# Altium PCB KlusterLab r2.0.PcbDoc (part 8 of 22) (continued)
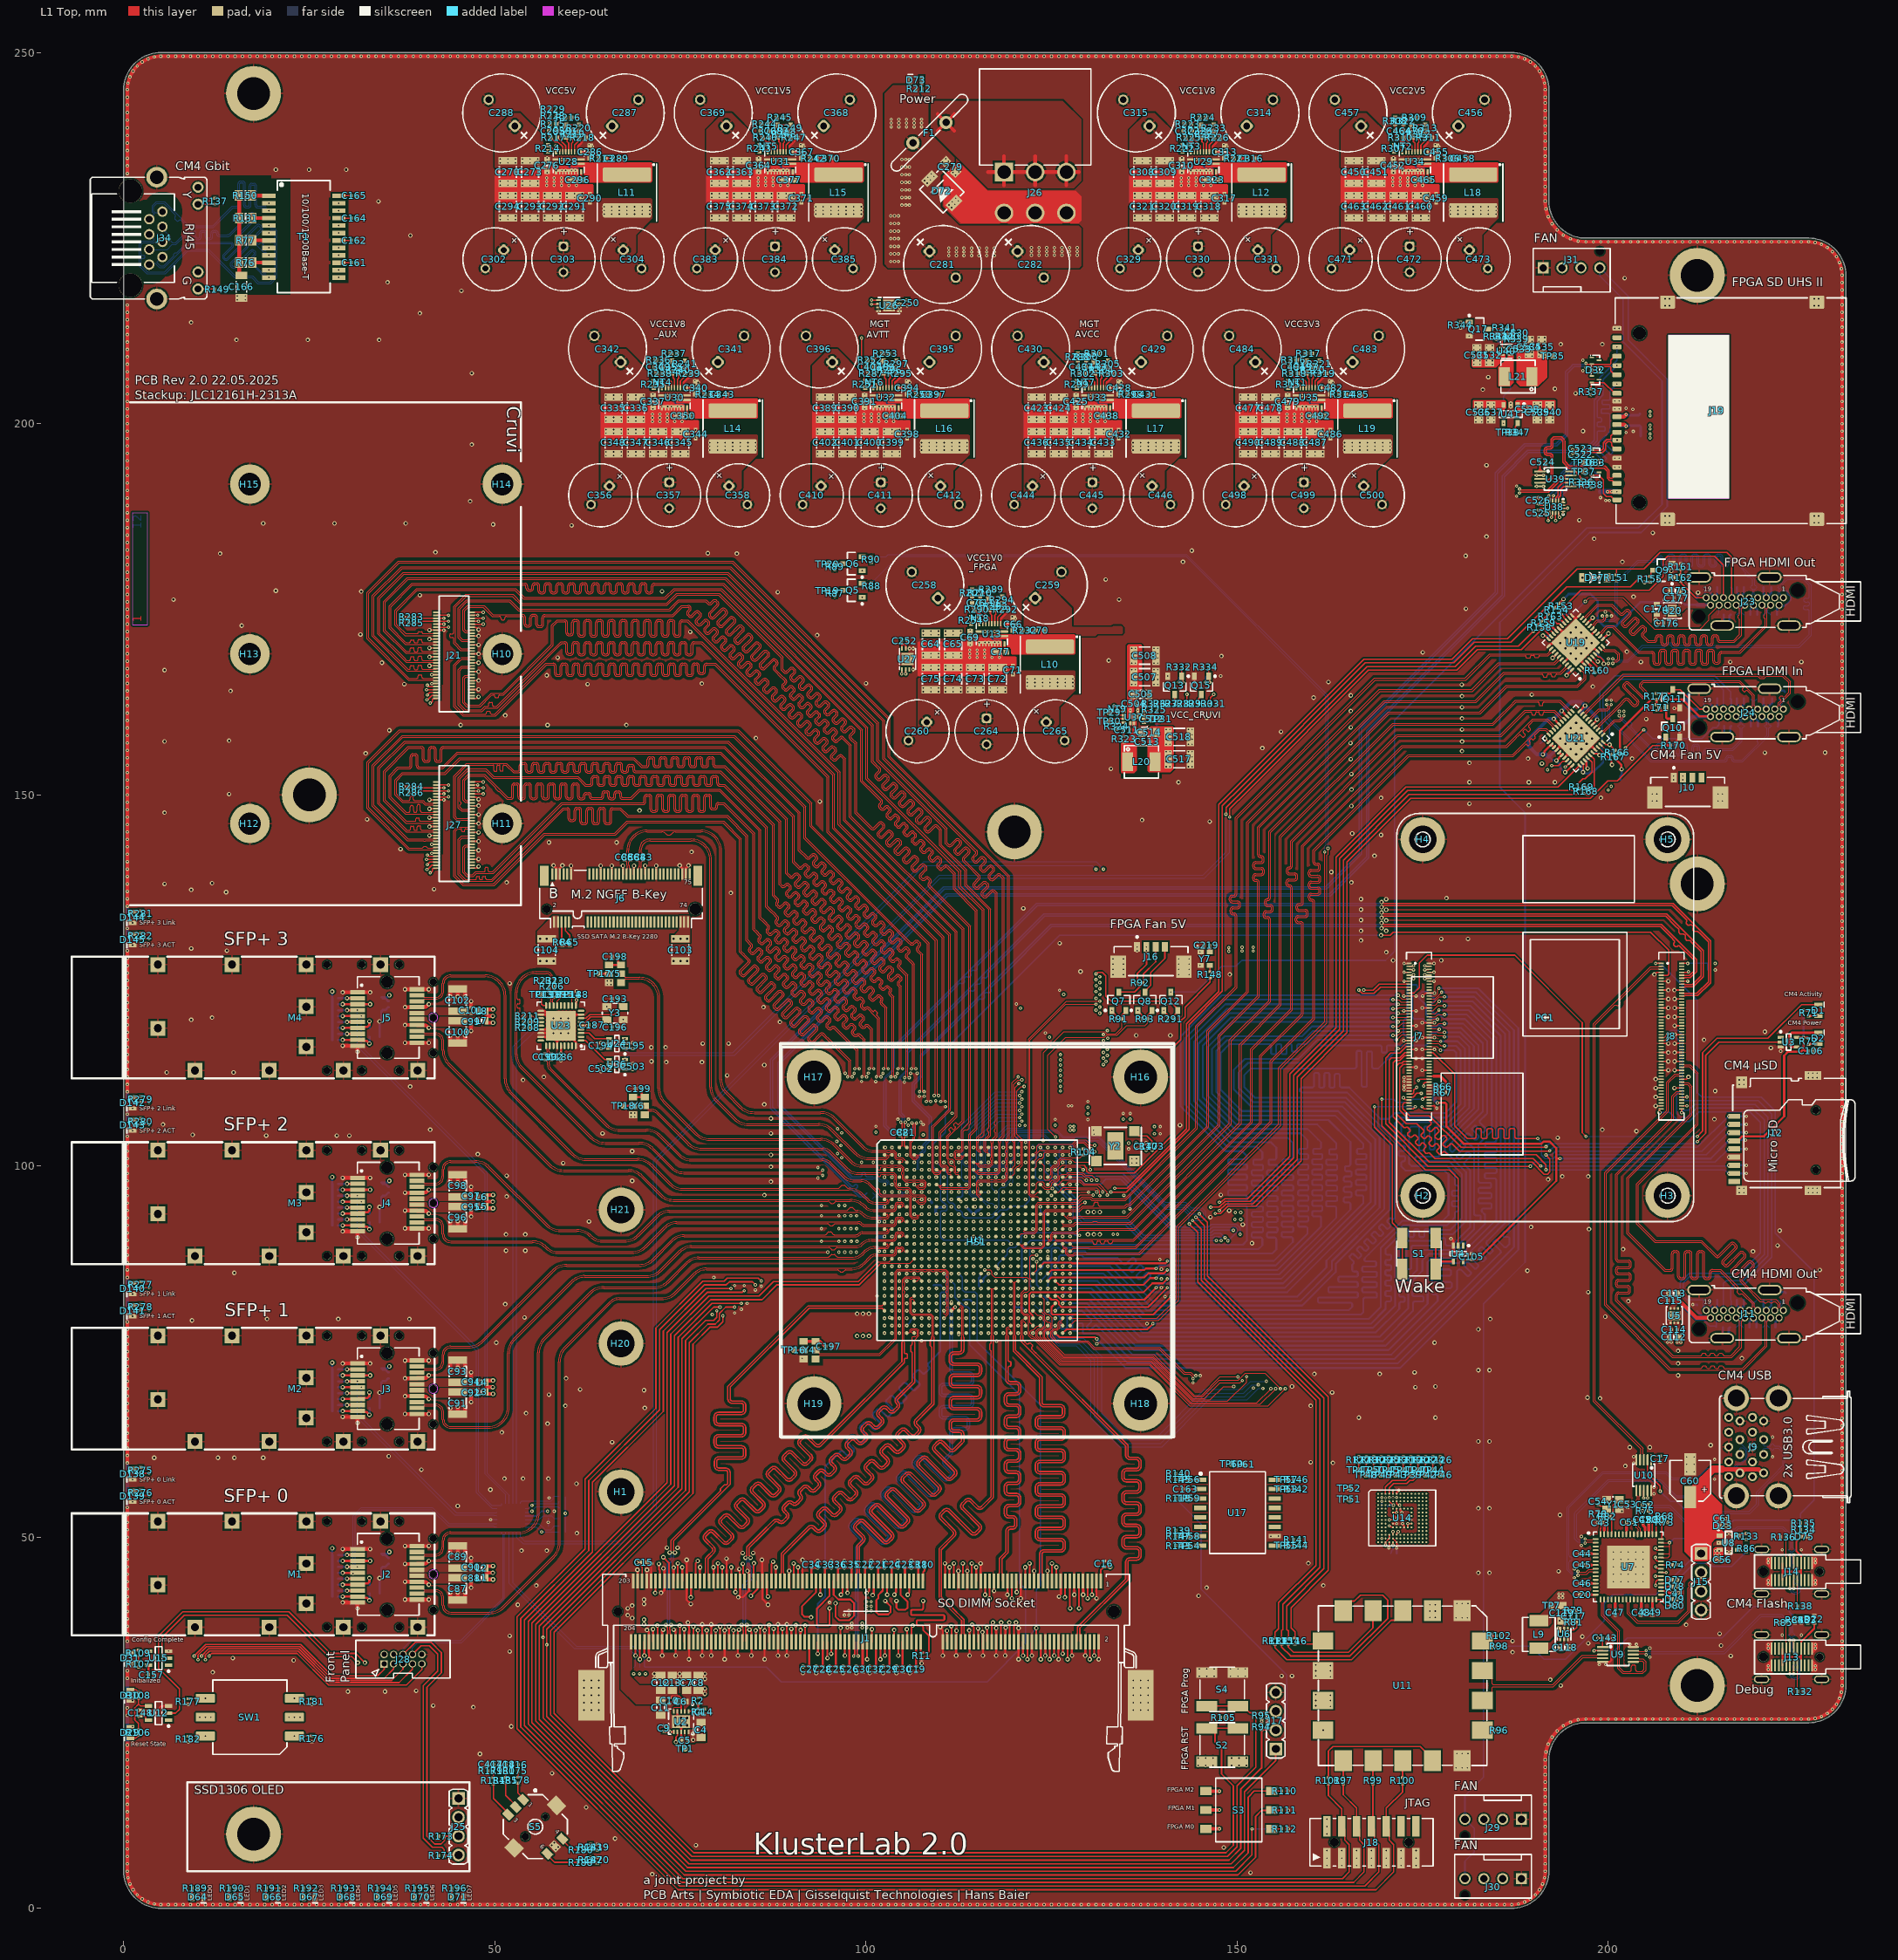
[diagram p0: L1 Top view]
## Nets (pads, with @x,y where several pads share a name; then routed paths per layer and width w, separated by ;. In a path a pad name is that pad's centre, name@x,y a point inside that pad or via, vN(x,y) a via of type N, cw(c..) or ccw(c..) an arc to the next point about the centre after c; other vN are vias at no path point) (continued)
CRUVI_B_6_N: J27.16 U1.F10 | length 156.3
  L1 Top w0.114: J27.16@46.835,148.93 46.485,148.93 46.391,149.024 45.986,149.024 45.695,149.315 45.695,152.025 46.349,152.679 46.419,152.75 48.649,152.75 51.759,149.64 51.966,149.64 52.143,149.64 ccw(c52.143,149.781) 52.284,149.781 52.284,151.205 cw(c52.666,151.205) 52.666,151.586 52.948,151.586 cw(c52.948,151.205) 53.329,151.205 53.329,149.757 ccw(c53.47,149.757) 53.47,149.616 53.752,149.616 ccw(c53.752,149.757) 53.893,149.757 53.893,151.205 cw(c54.275,151.205) 54.275,151.586 54.557,151.586 cw(c54.557,151.205) 54.939,151.205 54.939,149.757 ccw(c55.08,149.757) 55.08,149.616 55.361,149.616 ccw(c55.361,149.757) 55.502,149.757 55.502,151.205 cw(c55.884,151.205) 55.884,151.586 56.166,151.586 cw(c56.166,151.205) 56.548,151.205 56.548,149.757 ccw(c56.689,149.757) 56.689,149.616 56.971,149.616 ccw(c56.971,149.757) 57.112,149.757 57.112,151.205 cw(c57.493,151.205) 57.493,151.586 57.775,151.586 cw(c57.775,151.205) 58.157,151.205 58.157,149.757 ccw(c58.298,149.757) 58.298,149.616 58.58,149.616 ccw(c58.58,149.757) 58.721,149.757 58.721,151.205 cw(c59.103,151.205) 59.103,151.586 59.384,151.586 cw(c59.384,151.205) 59.766,151.205 59.766,149.757 ccw(c59.907,149.757) 59.907,149.616 60.189,149.616 ccw(c60.189,149.757) 60.33,149.757 60.33,151.205 cw(c60.712,151.205) 60.712,151.586 60.994,151.586 cw(c60.994,151.205) 61.375,151.205 61.375,149.757 ccw(c61.516,149.757) 61.516,149.616 61.798,149.616 ccw(c61.798,149.757) 61.939,149.757 61.939,149.935 cw(c62.321,149.935) 62.321,150.317 62.603,150.317 cw(c62.603,149.935) 62.985,149.935 62.985,149.781 ccw(c63.126,149.781) 63.126,149.64 63.731,149.64 64.099,149.64 64.276,149.64 ccw(c64.276,149.781) 64.417,149.781 64.417,150.158 cw(c64.799,150.158) 64.799,150.54 65.081,150.54 cw(c65.081,150.158) 65.462,150.158 65.462,149.758 ccw(c65.603,149.758) 65.603,149.617 65.885,149.617 ccw(c65.885,149.758) 66.026,149.758 66.026,150.125 cw(c66.408,150.125) 66.408,150.507 66.69,150.507 cw(c66.69,150.125) 67.072,150.125 67.072,149.781 ccw(c67.213,149.781) 67.213,149.64 68.108,149.64 68.32,149.64 69.455,150.775 69.554,150.775 80.334,150.775 85.841,145.268 85.841,133.501 86.225,133.116 86.956,132.385 86.956,132.38 cw(c86.65,132.15) 86.921,131.879 86.798,131.756 ccw(c86.898,131.657) 86.798,131.557 86.998,131.358 ccw(c87.097,131.457) 87.196,131.357 87.581,131.742 cw(c87.852,131.471) 88.082,131.778 88.088,131.778 88.358,131.507 88.358,131.502 cw(c88.052,131.272) 88.322,131.001 ; 88.322,131.001 87.938,130.617 ccw(c88.038,130.517) 87.938,130.417 88.137,130.218 ccw(c88.237,130.318) 88.336,130.217 88.721,130.603 cw(c88.992,130.332) 89.222,130.638 89.227,130.638 89.498,130.368 89.498,130.362 cw(c89.191,130.132) 89.462,129.861 ; 89.462,129.861 89.078,129.477 ccw(c89.177,129.377) 89.078,129.278 89.277,129.078 ccw(c89.377,129.178) 89.476,129.078 89.861,129.463 cw(c90.132,129.192) 90.362,129.498 90.367,129.498 90.637,129.228 90.637,129.223 cw(c90.331,128.993) 90.602,128.722 ; 90.601,128.721 90.217,128.337 ccw(c90.317,128.238) 90.217,128.138 90.417,127.939 ccw(c90.516,128.038) 90.615,127.938 91.001,128.323 cw(c91.271,128.052) 91.501,128.359 91.507,128.359 91.777,128.088 91.777,128.083 cw(c91.471,127.853) 91.742,127.582 ; 91.741,127.582 91.357,127.198 ccw(c91.457,127.098) 91.357,126.998 91.556,126.799 ccw(c91.656,126.899) 91.755,126.798 92.14,127.183 cw(c92.411,126.913) 92.641,127.219 92.647,127.219 92.917,126.949 92.917,126.943 cw(c92.61,126.713) 92.881,126.442 92.497,126.058 ccw(c92.596,125.958) 92.497,125.859 92.696,125.659 ccw(c92.796,125.759) 92.895,125.659 93.28,126.044 cw(c93.551,125.773) 93.781,126.079 93.786,126.079 94.056,125.809 94.056,125.803 cw(c93.75,125.573) 94.021,125.303 ; 93.637,124.718 93.836,124.519 ccw(c93.936,124.619) 94.035,124.519 94.419,124.903 ; 93.637,124.719 cw(c93.736,124.818) 93.637,124.918 94.021,125.302 ; 94.42,124.904 cw(c94.691,124.633) 94.921,124.939 94.926,124.939 95.196,124.669 95.196,124.664 cw(c94.89,124.434) 95.161,124.163 94.776,123.778 ccw(c94.876,123.679) 94.776,123.579 94.976,123.38 ccw(c95.075,123.479) 95.175,123.38 95.559,123.764 ; 95.559,123.764 cw(c95.83,123.493) 96.06,123.8 96.066,123.8 96.336,123.529 96.336,123.524 cw(c96.03,123.294) 96.3,123.023 95.915,122.638 ccw(c96.016,122.539) 95.916,122.439 96.115,122.24 ccw(c96.215,122.34) 96.315,122.24 96.699,122.624 ; 96.699,122.624 cw(c96.97,122.354) 97.2,122.66 97.205,122.66 97.476,122.39 97.476,122.384 cw(c97.169,122.154) 97.44,121.883 97.055,121.498 ccw(c97.155,121.399) 97.056,121.3 97.255,121.1 ccw(c97.355,121.2) 97.454,121.1 97.838,121.484 ; 97.839,121.485 cw(c98.11,121.214) 98.34,121.52 98.345,121.52 98.615,121.25 98.615,121.245 cw(c98.309,121.015) 98.58,120.744 98.195,120.359 ccw(c98.295,120.26) 98.195,120.16 98.395,119.961 ccw(c98.494,120.06) 98.594,119.961 98.978,120.345 cw(c99.249,120.074) 99.479,120.38 99.485,120.38 99.755,120.11 99.755,120.105 cw(c99.449,119.875) 99.72,119.604 99.335,119.219 ccw(c99.435,119.12) 99.335,119.02 99.535,118.821 ccw(c99.634,118.921) 99.734,118.821 99.856,118.943 cw(c100.127,118.672) 100.357,118.979 100.363,118.979 100.692,118.649 100.782,118.558 ; 100.783,118.559 100.852,118.489 v1@100.852,113.1
  L3 Inner2 (Sig) w0.1: v1(101.041,113.1) 101.041,113.041 100.867,112.866 100.867,112.784 100.904,112.746 100.904,112.28 100.882,112.259 100.882,112.036 100.9,112.019 100.9,102.1 101.9,101.1 101.9,100.224 102.5,99.624 103.676,99.624 104.8,98.5 104.8,98.408 105.008,98.2 105.613,98.2 106.125,97.689 106.125,97.345 106.37,97.1 110.8,97.1 110.825,97.075 111.725,97.075 111.784,97.134 111.784,97.216 v1(111.5,97.5)
CRUVI_B_6_P: J27.14 U1.G11 | length 156
  L1 Top w0.114: J27.14@46.835,149.33 46.777,149.272 46.382,149.272 46.36,149.25 46.1,149.25 45.935,149.415 45.935,151.925 46.519,152.509 48.55,152.509 49.663,151.396 49.703,151.356 50.101,150.957 50.101,150.863 50.098,150.86 50.098,150.82 50.457,150.461 50.497,150.461 50.5,150.465 50.594,150.465 50.598,150.461 50.638,150.42 51.66,149.399 51.966,149.399 52.143,149.399 ccw(c52.143,149.781) 52.525,149.781 52.525,151.205 cw(c52.666,151.205) 52.666,151.345 52.948,151.345 cw(c52.948,151.205) 53.089,151.205 53.089,149.757 ccw(c53.47,149.757) 53.47,149.375 53.752,149.375 ccw(c53.752,149.757) 54.134,149.757 54.134,151.205 cw(c54.275,151.205) 54.275,151.345 54.557,151.345 cw(c54.557,151.205) 54.698,151.205 54.698,149.757 ccw(c55.08,149.757) 55.08,149.375 55.361,149.375 ccw(c55.361,149.757) 55.743,149.757 55.743,151.205 cw(c55.884,151.205) 55.884,151.345 56.166,151.345 cw(c56.166,151.205) 56.307,151.205 56.307,149.757 ccw(c56.689,149.757) 56.689,149.375 56.971,149.375 ccw(c56.971,149.757) 57.352,149.757 57.352,151.205 cw(c57.493,151.205) 57.493,151.345 57.775,151.345 cw(c57.775,151.205) 57.916,151.205 57.916,149.757 ccw(c58.298,149.757) 58.298,149.375 58.58,149.375 ccw(c58.58,149.757) 58.962,149.757 58.962,151.205 cw(c59.103,151.205) 59.103,151.345 59.384,151.345 cw(c59.384,151.205) 59.525,151.205 59.525,149.757 ccw(c59.907,149.757) 59.907,149.375 60.189,149.375 ccw(c60.189,149.757) 60.571,149.757 60.571,151.205 cw(c60.712,151.205) 60.712,151.345 60.994,151.345 cw(c60.994,151.205) 61.135,151.205 61.135,149.757 ccw(c61.516,149.757) 61.516,149.375 61.798,149.375 ccw(c61.798,149.757) 62.18,149.757 62.18,149.935 cw(c62.321,149.935) 62.321,150.076 62.603,150.076 cw(c62.603,149.935) 62.744,149.935 62.744,149.781 ccw(c63.126,149.781) 63.126,149.399 63.731,149.399 64.099,149.399 64.276,149.399 ccw(c64.276,149.781) 64.658,149.781 64.658,150.158 cw(c64.799,150.158) 64.799,150.299 65.081,150.299 cw(c65.081,150.158) 65.222,150.158 65.222,149.758 ccw(c65.603,149.758) 65.603,149.377 65.885,149.377 ccw(c65.885,149.758) 66.267,149.758 66.267,150.125 cw(c66.408,150.125) 66.408,150.266 66.69,150.266 cw(c66.69,150.125) 66.831,150.125 66.831,149.781 ccw(c67.213,149.781) 67.213,149.399 68.108,149.399 68.42,149.399 69.554,150.534 80.234,150.534 85.6,145.168 85.6,133.401 85.682,133.319 85.682,133.317 86.054,132.945 86.749,132.25 cw(c86.65,132.15) 86.75,132.05 86.627,131.928 ccw(c86.898,131.657) 86.627,131.386 86.826,131.187 ccw(c87.097,131.457) 87.368,131.187 87.753,131.571 cw(c87.852,131.471) 87.952,131.571 88.151,131.372 cw(c88.052,131.272) 88.152,131.173 87.767,130.788 ccw(c88.038,130.517) 87.767,130.246 87.966,130.047 ccw(c88.237,130.318) 88.508,130.047 ; 88.508,130.047 88.892,130.431 cw(c88.992,130.332) 89.092,130.431 ; 89.092,130.431 89.29,130.233 ; 89.291,130.232 cw(c89.191,130.132) 89.292,130.033 88.906,129.648 ccw(c89.177,129.377) 88.906,129.106 89.106,128.907 ccw(c89.377,129.178) 89.648,128.907 90.032,129.292 cw(c90.132,129.192) 90.232,129.291 90.43,129.093 cw(c90.331,128.993) 90.431,128.894 90.046,128.508 ccw(c90.317,128.238) 90.046,127.967 90.246,127.767 ccw(c90.516,128.038) 90.787,127.767 ; 90.788,127.768 91.172,128.152 cw(c91.271,128.052) 91.371,128.151 91.57,127.953 ; 91.57,127.953 cw(c91.471,127.853) 91.571,127.754 91.186,127.369 ccw(c91.457,127.098) 91.186,126.827 91.385,126.628 ccw(c91.656,126.899) 91.927,126.628 ; 91.927,126.628 92.311,127.012 cw(c92.411,126.913) 92.511,127.012 92.709,126.814 cw(c92.61,126.713) 92.711,126.614 92.326,126.229 ccw(c92.596,125.958) 92.326,125.687 92.525,125.488 ccw(c92.796,125.759) 93.067,125.488 ; 93.067,125.488 93.451,125.872 cw(c93.551,125.773) 93.651,125.872 93.849,125.674 cw(c93.75,125.573) 93.85,125.474 93.465,125.089 ccw(c93.736,124.818) 93.43,124.588 93.43,124.583 93.466,124.547 93.665,124.348 ccw(c93.936,124.619) 94.206,124.348 94.592,124.733 cw(c94.691,124.633) 94.791,124.732 ; 94.605,123.95 ccw(c94.876,123.679) 94.605,123.408 94.804,123.209 ccw(c95.075,123.479) 95.346,123.209 95.731,123.594 cw(c95.83,123.493) 95.93,123.593 96.129,123.394 cw(c96.03,123.294) 96.129,123.194 95.745,122.81 ccw(c96.016,122.539) 95.745,122.268 95.944,122.069 ccw(c96.215,122.34) 96.486,122.069 96.871,122.454 cw(c96.97,122.354) 97.07,122.453 ; 94.606,123.95 94.99,124.334 ccw(c94.89,124.434) 94.989,124.534 ; 94.791,124.732 94.989,124.534 ; 96.885,121.67 ccw(c97.155,121.399) 96.885,121.128 97.084,120.929 ccw(c97.355,121.2) 97.626,120.929 98.011,121.314 cw(c98.11,121.214) 98.21,121.313 98.408,121.115 cw(c98.309,121.015) 98.409,120.915 98.025,120.531 ; 96.885,121.671 97.269,122.055 ccw(c97.169,122.154) 97.269,122.254 ; 97.07,122.453 97.268,122.255 ; 98.024,120.53 ccw(c98.295,120.26) 98.024,119.989 98.224,119.789 ccw(c98.494,120.06) 98.765,119.789 99.15,120.174 cw(c99.249,120.074) 99.35,120.173 99.548,119.975 ; 99.164,119.391 ccw(c99.435,119.12) 99.164,118.849 99.363,118.65 ccw(c99.634,118.921) 99.905,118.65 100.028,118.772 cw(c100.127,118.672) 100.227,118.772 100.521,118.478 100.612,118.388 ; 99.164,119.391 99.548,119.775 ccw(c99.449,119.875) 99.548,119.975 ; v1@100.612,113.1 100.612,118.387
  L3 Inner2 (Sig) w0.1: v1(100.441,113.1) 100.441,113.066 100.667,112.841 100.667,112.701 100.704,112.663 100.704,112.363 100.682,112.341 100.682,112.268 100.57,112.155 100.57,101.963 101.57,100.963 101.57,100.087 102.363,99.294 103.54,99.294 104.567,98.267 104.659,98.267 104.925,98 105.53,98 105.925,97.606 105.925,97.262 106.287,96.9 110.717,96.9 110.742,96.875 111.836,96.875 111.84,96.879 112.121,96.879 v1(112.5,96.5)
CRUVI_B_7_N: J27.22 U1.C11 | length 153.1
  L1 Top w0.114: J27.22@46.835,147.73 46.777,147.788 46.382,147.788 46.36,147.81 45.5,147.81 45.059,148.25 45.059,152.288 46.2,153.429 46.271,153.5 48.836,153.5 49.854,152.482 61.235,152.482 62.279,151.438 62.676,151.438 62.853,151.438 ccw(c62.853,151.579) 62.994,151.579 62.994,152.203 cw(c63.376,152.203) 63.376,152.585 63.658,152.585 cw(c63.658,152.203) 64.039,152.203 64.039,151.556 ccw(c64.18,151.556) 64.18,151.415 64.462,151.415 ccw(c64.462,151.556) 64.603,151.556 64.603,152.203 cw(c64.985,152.203) 64.985,152.585 65.267,152.585 cw(c65.267,152.203) 65.649,152.203 65.649,151.556 ccw(c65.79,151.556) 65.79,151.415 66.071,151.415 ccw(c66.071,151.556) 66.212,151.556 66.212,152.203 cw(c66.594,152.203) 66.594,152.585 66.876,152.585 cw(c66.876,152.203) 67.258,152.203 67.258,151.556 ccw(c67.399,151.556) 67.399,151.415 67.681,151.415 ccw(c67.681,151.556) 67.822,151.556 67.822,152.203 cw(c68.203,152.203) 68.203,152.585 68.485,152.585 cw(c68.485,152.203) 68.867,152.203 68.867,151.556 ccw(c69.008,151.556) 69.008,151.415 69.29,151.415 ccw(c69.29,151.556) 69.431,151.556 69.431,152.203 cw(c69.812,152.203) 69.812,152.585 70.094,152.585 cw(c70.094,152.203) 70.476,152.203 70.476,151.556 ccw(c70.617,151.556) 70.617,151.415 70.899,151.415 ccw(c70.899,151.556) 71.04,151.556 71.04,152.203 cw(c71.422,152.203) 71.422,152.585 71.704,152.585 cw(c71.704,152.203) 72.085,152.203 72.085,151.556 ccw(c72.226,151.556) 72.226,151.415 72.508,151.415 ccw(c72.508,151.556) 72.649,151.556 72.649,152.203 cw(c73.031,152.203) 73.031,152.585 73.313,152.585 cw(c73.313,152.203) 73.695,152.203 73.695,151.556 ccw(c73.835,151.556) 73.835,151.415 74.117,151.415 ccw(c74.117,151.556) 74.258,151.556 74.258,152.203 cw(c74.64,152.203) 74.64,152.585 74.922,152.585 cw(c74.922,152.203) 75.304,152.203 75.304,151.556 ccw(c75.445,151.556) 75.445,151.415 75.727,151.415 ccw(c75.727,151.556) 75.867,151.556 75.867,152.203 cw(c76.249,152.203) 76.249,152.585 76.531,152.585 cw(c76.531,152.203) 76.913,152.203 76.913,151.556 ccw(c77.054,151.556) 77.054,151.415 77.336,151.415 ccw(c77.336,151.556) 77.477,151.556 77.477,152.203 cw(c77.858,152.203) 77.858,152.585 78.14,152.585 cw(c78.14,152.203) 78.522,152.203 78.522,151.556 ccw(c78.663,151.556) 78.663,151.415 78.945,151.415 ccw(c78.945,151.556) 79.086,151.556 79.086,152.203 cw(c79.468,152.203) 79.468,152.585 79.75,152.585 cw(c79.75,152.203) 80.131,152.203 80.131,151.579 ccw(c80.272,151.579) 80.272,151.438 80.807,151.438 80.944,151.438 86.741,145.641 86.741,135.001 87.425,134.317 87.515,134.226 88.119,133.622 cw(c87.849,133.352) 88.119,133.082 88,132.963 ccw(c88.1,132.864) 88,132.764 88.2,132.565 ccw(c88.299,132.664) 88.398,132.564 88.856,133.022 cw(c89.126,132.752) 89.355,133.057 89.361,133.057 89.631,132.788 89.631,132.782 cw(c89.326,132.553) 89.595,132.283 ; 89.595,132.282 89.138,131.826 ccw(c89.238,131.726) 89.138,131.626 89.337,131.427 ccw(c89.437,131.527) 89.536,131.426 89.994,131.884 cw(c90.264,131.614) 90.493,131.92 90.499,131.92 90.769,131.65 90.769,131.644 cw(c90.463,131.415) 90.733,131.145 ; 90.733,131.145 90.276,130.688 ccw(c90.376,130.588) 90.276,130.488 90.475,130.289 ccw(c90.575,130.389) 90.674,130.288 91.132,130.746 cw(c91.402,130.476) 91.631,130.782 91.637,130.782 91.906,130.512 91.906,130.506 cw(c91.601,130.277) 91.871,130.007 ; 91.871,130.007 91.414,129.55 ccw(c91.513,129.45) 91.414,129.35 91.613,129.151 ccw(c91.713,129.251) 91.812,129.151 92.27,129.609 cw(c92.54,129.339) 92.769,129.644 92.774,129.644 93.044,129.374 93.044,129.369 cw(c92.739,129.139) 93.009,128.869 ; 93.009,128.869 92.552,128.412 ccw(c92.651,128.312) 92.552,128.213 92.751,128.013 ccw(c92.851,128.113) 92.95,128.013 93.408,128.471 cw(c93.678,128.201) 93.907,128.506 93.912,128.506 94.182,128.236 94.182,128.231 cw(c93.877,128.001) 94.147,127.731 93.69,127.274 ccw(c93.789,127.174) 93.69,127.075 93.889,126.875 ccw(c93.989,126.975) 94.088,126.875 94.546,127.333 cw(c94.816,127.063) 95.045,127.368 95.05,127.368 95.32,127.098 95.32,127.093 cw(c95.015,126.864) 95.285,126.594 94.827,126.136 ccw(c94.927,126.037) 94.827,125.937 95.027,125.738 ccw(c95.126,125.837) 95.226,125.737 95.683,126.195 cw(c95.953,125.925) 96.183,126.23 96.188,126.23 96.458,125.96 96.458,125.955 cw(c96.153,125.726) 96.423,125.456 95.965,124.998 ccw(c96.065,124.899) 95.965,124.799 ; 95.966,124.798 96.165,124.6 ccw(c96.264,124.699) 96.363,124.599 96.821,125.057 cw(c97.091,124.787) 97.321,125.092 97.326,125.092 97.596,124.822 97.596,124.817 cw(c97.291,124.588) 97.561,124.318 97.103,123.86 ccw(c97.203,123.761) 97.103,123.661 97.302,123.462 ccw(c97.402,123.561) 97.502,123.462 97.959,123.919 cw(c98.229,123.649) 98.458,123.954 98.464,123.954 98.734,123.685 98.734,123.679 cw(c98.428,123.45) 98.698,123.18 98.522,123.003 ccw(c98.622,122.904) 98.522,122.804 98.721,122.605 ccw(c98.821,122.704) 98.921,122.605 98.943,122.628 cw(c99.213,122.358) 99.443,122.663 99.448,122.663 99.718,122.393 99.718,122.388 cw(c99.413,122.158) 99.683,121.889 99.498,121.704 ccw(c99.597,121.604) 99.498,121.504 99.697,121.305 ccw(c99.797,121.405) 99.896,121.305 cw(c100.166,121.035) 100.436,121.305 100.723,121.018 100.813,120.928 100.854,120.888 100.894,120.847 ccw(c100.975,120.928) 101.055,120.847 101.123,120.916 cw(c101.203,120.836) 101.283,120.916 101.522,120.676 cw(c101.442,120.597) 101.522,120.517 101.454,120.449 ccw(c101.534,120.368) 101.454,120.288 101.558,120.183 101.598,120.143 101.823,119.919 v1@101.823,112
  L3 Inner2 (Sig) w0.1: v1(102.012,112) 102.012,111.966 101.82,111.775 101.82,111.695 102.13,111.385 102.13,102.27 102.8,101.6 103.792,101.6 104.742,100.65 105.16,100.65 105.225,100.585 105.59,100.585 106.05,100.125 112.792,100.125 112.9,100.233 112.9,100.441 112.841,100.5 v1(112.5,100.5)
CRUVI_B_7_P: J27.20 U1.C12 | length 152.4
  L1 Top w0.114: J27.20@46.835,148.13 46.777,148.072 46.382,148.072 46.36,148.05 45.6,148.05 45.3,148.35 45.3,148.65 45.45,148.8 45.45,148.95 45.3,149.1 45.3,152.189 46.371,153.259 48.736,153.259 49.754,152.241 50.055,152.241 52.303,152.241 61.136,152.241 62.179,151.197 62.676,151.197 62.853,151.197 ccw(c62.853,151.579) 63.235,151.579 63.235,152.203 cw(c63.376,152.203) 63.376,152.344 63.658,152.344 cw(c63.658,152.203) 63.799,152.203 63.799,151.556 ccw(c64.18,151.556) 64.18,151.174 64.462,151.174 ccw(c64.462,151.556) 64.844,151.556 64.844,152.203 cw(c64.985,152.203) 64.985,152.344 65.267,152.344 cw(c65.267,152.203) 65.408,152.203 65.408,151.556 ccw(c65.79,151.556) 65.79,151.174 66.071,151.174 ccw(c66.071,151.556) 66.453,151.556 66.453,152.203 cw(c66.594,152.203) 66.594,152.344 66.876,152.344 cw(c66.876,152.203) 67.017,152.203 67.017,151.556 ccw(c67.399,151.556) 67.399,151.174 67.681,151.174 ccw(c67.681,151.556) 68.062,151.556 68.062,152.203 cw(c68.203,152.203) 68.203,152.344 68.485,152.344 cw(c68.485,152.203) 68.626,152.203 68.626,151.556 ccw(c69.008,151.556) 69.008,151.174 69.29,151.174 ccw(c69.29,151.556) 69.672,151.556 69.672,152.203 cw(c69.812,152.203) 69.812,152.344 70.094,152.344 cw(c70.094,152.203) 70.235,152.203 70.235,151.556 ccw(c70.617,151.556) 70.617,151.174 70.899,151.174 ccw(c70.899,151.556) 71.281,151.556 71.281,152.203 cw(c71.422,152.203) 71.422,152.344 71.704,152.344 cw(c71.704,152.203) 71.845,152.203 71.845,151.556 ccw(c72.226,151.556) 72.226,151.174 72.508,151.174 ccw(c72.508,151.556) 72.89,151.556 72.89,152.203 cw(c73.031,152.203) 73.031,152.344 73.313,152.344 cw(c73.313,152.203) 73.454,152.203 73.454,151.556 ccw(c73.835,151.556) 73.835,151.174 74.117,151.174 ccw(c74.117,151.556) 74.499,151.556 74.499,152.203 cw(c74.64,152.203) 74.64,152.344 74.922,152.344 cw(c74.922,152.203) 75.063,152.203 75.063,151.556 ccw(c75.445,151.556) 75.445,151.174 75.727,151.174 ccw(c75.727,151.556) 76.108,151.556 76.108,152.203 cw(c76.249,152.203) 76.249,152.344 76.531,152.344 cw(c76.531,152.203) 76.672,152.203 76.672,151.556 ccw(c77.054,151.556) 77.054,151.174 77.336,151.174 ccw(c77.336,151.556) 77.717,151.556 77.717,152.203 cw(c77.858,152.203) 77.858,152.344 78.14,152.344 cw(c78.14,152.203) 78.281,152.203 78.281,151.556 ccw(c78.663,151.556) 78.663,151.174 78.945,151.174 ccw(c78.945,151.556) 79.327,151.556 79.327,152.203 cw(c79.468,152.203) 79.468,152.344 79.75,152.344 cw(c79.75,152.203) 79.89,152.203 79.89,151.579 ccw(c80.272,151.579) 80.272,151.197 80.807,151.197 80.844,151.197 86.5,145.541 86.5,134.901 87.255,134.146 87.345,134.056 87.949,133.452 cw(c87.849,133.352) 87.949,133.253 87.83,133.134 ccw(c88.1,132.864) 87.83,132.594 88.029,132.394 ccw(c88.299,132.664) 88.569,132.394 89.027,132.852 cw(c89.126,132.752) 89.226,132.851 ; 89.227,132.851 89.425,132.653 cw(c89.326,132.553) 89.426,132.454 88.968,131.996 ccw(c89.238,131.726) 88.968,131.456 89.167,131.257 ccw(c89.437,131.527) 89.707,131.257 ; 89.707,131.257 90.164,131.714 cw(c90.264,131.614) 90.364,131.714 ; 90.364,131.713 90.562,131.515 cw(c90.463,131.415) 90.564,131.316 90.106,130.858 ccw(c90.376,130.588) 90.106,130.318 90.305,130.119 ccw(c90.575,130.389) 90.845,130.119 ; 90.845,130.119 91.302,130.576 cw(c91.402,130.476) 91.502,130.576 ; 91.502,130.575 91.7,130.377 cw(c91.601,130.277) 91.701,130.178 91.244,129.72 ccw(c91.513,129.45) 91.244,129.18 91.443,128.981 ccw(c91.713,129.251) 91.983,128.981 ; 91.983,128.981 92.44,129.438 cw(c92.54,129.339) 92.64,129.438 ; 92.64,129.438 92.838,129.24 ; 92.838,129.239 cw(c92.739,129.139) 92.839,129.04 92.381,128.582 ccw(c92.651,128.312) 92.381,128.042 92.581,127.843 ccw(c92.851,128.113) 93.121,127.843 ; 93.121,127.843 93.578,128.3 cw(c93.678,128.201) 93.778,128.3 ; 93.778,128.3 93.976,128.102 ; 93.976,128.101 cw(c93.877,128.001) 93.977,127.902 93.519,127.444 ccw(c93.789,127.174) 93.519,126.904 93.719,126.705 ccw(c93.989,126.975) 94.258,126.705 ; 94.259,126.706 94.716,127.163 cw(c94.816,127.063) 94.916,127.162 ; 94.916,127.162 95.114,126.964 ; 95.114,126.964 cw(c95.015,126.864) 95.115,126.764 94.657,126.306 ccw(c94.927,126.037) 94.657,125.767 94.856,125.567 ccw(c95.126,125.837) 95.396,125.567 ; 95.397,125.568 95.854,126.025 cw(c95.953,125.925) 96.053,126.024 96.252,125.826 ; 96.252,125.826 cw(c96.153,125.726) 96.253,125.627 95.795,125.169 ccw(c96.065,124.899) 95.76,124.669 95.76,124.664 95.822,124.601 95.994,124.429 ccw(c96.264,124.699) 96.534,124.429 ; 96.535,124.43 96.992,124.887 cw(c97.091,124.787) 97.191,124.886 97.39,124.688 ; 96.933,124.031 ccw(c97.203,123.761) 96.933,123.491 97.132,123.292 ccw(c97.402,123.561) 97.672,123.292 98.13,123.749 cw(c98.229,123.649) 98.329,123.749 98.527,123.55 cw(c98.428,123.45) 98.528,123.35 98.352,123.174 ccw(c98.622,122.904) 98.352,122.634 98.551,122.435 ccw(c98.821,122.704) 99.091,122.435 99.114,122.457 cw(c99.213,122.358) 99.313,122.457 99.512,122.259 cw(c99.413,122.158) 99.512,122.059 99.328,121.874 ccw(c99.597,121.604) 99.328,121.334 99.527,121.135 ccw(c99.797,121.405) 100.067,121.135 cw(c100.166,121.035) 100.266,121.135 100.553,120.848 100.643,120.758 101.582,119.819 v1@101.582,112 ; 96.933,124.031 97.39,124.488 ccw(c97.291,124.588) 97.39,124.688
  L3 Inner2 (Sig) w0.1: v1(101.412,112) 101.412,111.966 101.62,111.758 101.62,111.612 101.8,111.432 101.8,102.133 102.663,101.27 103.655,101.27 104.605,100.32 105.16,100.32 105.225,100.385 105.507,100.385 105.967,99.925 112.875,99.925 113.1,100.15 113.1,100.441 113.159,100.5 v1(113.5,100.5)
CRUVI_B_8_N: J27.28 U1.B9 | length 151.6
  L1 Top w0.114: J27.28@46.835,146.53 46.777,146.588 46.382,146.588 46.36,146.61 44.802,146.61 44.459,146.952 44.459,152.537 46.087,154.165 46.158,154.235 51.591,154.235 52.601,153.225 52.986,153.225 53.164,153.225 ccw(c53.164,153.366) 53.305,153.366 53.305,153.96 cw(c53.686,153.96) 53.686,154.342 53.968,154.342 cw(c53.968,153.96) 54.35,153.96 54.35,153.336 ccw(c54.491,153.336) 54.491,153.195 54.773,153.195 ccw(c54.773,153.336) 54.914,153.336 54.914,153.96 cw(c55.295,153.96) 55.295,154.342 55.577,154.342 cw(c55.577,153.96) 55.959,153.96 55.959,153.336 ccw(c56.1,153.336) 56.1,153.195 56.382,153.195 ccw(c56.382,153.336) 56.523,153.336 56.523,153.96 cw(c56.905,153.96) 56.905,154.342 57.187,154.342 cw(c57.187,153.96) 57.568,153.96 57.568,153.336 ccw(c57.709,153.336) 57.709,153.195 57.991,153.195 ccw(c57.991,153.336) 58.132,153.336 58.132,153.96 cw(c58.514,153.96) 58.514,154.342 58.796,154.342 cw(c58.796,153.96) 59.177,153.96 59.177,153.336 ccw(c59.318,153.336) 59.318,153.195 59.6,153.195 ccw(c59.6,153.336) 59.741,153.336 59.741,153.96 cw(c60.123,153.96) 60.123,154.342 60.405,154.342 cw(c60.405,153.96) 60.787,153.96 60.787,153.336 ccw(c60.928,153.336) 60.928,153.195 61.21,153.195 ccw(c61.21,153.336) 61.35,153.336 61.35,153.96 cw(c61.732,153.96) 61.732,154.342 62.014,154.342 cw(c62.014,153.96) 62.396,153.96 62.396,153.336 ccw(c62.537,153.336) 62.537,153.195 62.819,153.195 ccw(c62.819,153.336) 62.96,153.336 62.96,153.96 cw(c63.341,153.96) 63.341,154.342 63.623,154.342 cw(c63.623,153.96) 64.005,153.96 64.005,153.336 ccw(c64.146,153.336) 64.146,153.195 64.428,153.195 ccw(c64.428,153.336) 64.569,153.336 64.569,153.96 cw(c64.951,153.96) 64.951,154.342 65.233,154.342 cw(c65.233,153.96) 65.614,153.96 65.614,153.336 ccw(c65.755,153.336) 65.755,153.195 66.037,153.195 ccw(c66.037,153.336) 66.178,153.336 66.178,153.96 cw(c66.56,153.96) 66.56,154.342 66.842,154.342 cw(c66.842,153.96) 67.223,153.96 67.223,153.336 ccw(c67.364,153.336) 67.364,153.195 67.646,153.195 ccw(c67.646,153.336) 67.787,153.336 67.787,153.704 cw(c68.169,153.704) 68.169,154.086 68.451,154.086 cw(c68.451,153.704) 68.833,153.704 68.833,153.366 ccw(c68.974,153.366) 68.974,153.225 69.951,153.225 80.43,153.225 87.641,146.014 87.641,137.256 87.641,136.501 88.142,135.999 cw(c87.872,135.729) 88.142,135.459 88.099,135.417 ccw(c88.199,135.317) 88.099,135.217 88.299,135.018 ccw(c88.398,135.118) 88.498,135.018 88.921,135.441 cw(c89.191,135.171) 89.421,135.477 89.426,135.477 89.696,135.207 89.696,135.201 cw(c89.391,134.972) 89.661,134.702 ; 89.66,134.702 89.237,134.279 ccw(c89.337,134.179) 89.237,134.08 89.437,133.88 ccw(c89.536,133.98) 89.635,133.88 90.059,134.303 cw(c90.329,134.034) 90.558,134.339 90.564,134.339 90.834,134.069 90.834,134.064 cw(c90.529,133.834) 90.798,133.564 ; 90.798,133.564 90.375,133.141 ccw(c90.475,133.041) 90.375,132.942 90.575,132.742 ccw(c90.674,132.842) 90.773,132.742 91.197,133.166 cw(c91.467,132.896) 91.696,133.201 91.702,133.201 91.972,132.931 91.972,132.926 cw(c91.666,132.696) 91.936,132.426 ; 91.936,132.426 91.513,132.003 ccw(c91.613,131.904) 91.513,131.804 91.712,131.605 ccw(c91.812,131.704) 91.911,131.604 92.335,132.028 cw(c92.605,131.758) 92.834,132.063 92.84,132.063 93.109,131.793 93.109,131.788 cw(c92.804,131.558) 93.074,131.289 ; 93.074,131.288 92.651,130.865 ccw(c92.751,130.766) 92.651,130.666 92.85,130.467 ccw(c92.95,130.566) 93.049,130.466 93.473,130.89 cw(c93.743,130.62) 93.972,130.925 93.977,130.925 94.247,130.655 94.247,130.65 cw(c93.942,130.421) 94.212,130.151 ; 94.212,130.15 93.789,129.727 ccw(c93.888,129.628) 93.789,129.528 93.988,129.329 ccw(c94.088,129.428) 94.187,129.328 94.611,129.752 cw(c94.881,129.482) 95.11,129.787 95.115,129.787 95.385,129.517 95.385,129.512 cw(c95.08,129.283) 95.35,129.013 ; 95.349,129.012 94.927,128.59 ccw(c95.026,128.49) 94.927,128.39 95.126,128.191 ccw(c95.226,128.291) 95.325,128.19 95.749,128.614 cw(c96.018,128.344) 96.248,128.649 96.253,128.649 96.523,128.38 96.523,128.374 cw(c96.218,128.145) 96.488,127.875 ; 96.487,127.874 96.065,127.452 ccw(c96.164,127.352) 96.065,127.252 96.264,127.053 ccw(c96.364,127.153) 96.463,127.053 96.886,127.476 cw(c97.156,127.206) 97.386,127.512 97.391,127.512 97.661,127.242 97.661,127.236 cw(c97.356,127.007) 97.626,126.737 ; 97.625,126.737 97.202,126.314 ccw(c97.302,126.214) 97.202,126.115 97.402,125.915 ccw(c97.501,126.015) 97.601,125.915 98.024,126.338 cw(c98.294,126.068) 98.524,126.374 98.529,126.374 98.799,126.104 98.799,126.098 cw(c98.494,125.869) 98.763,125.599 ; 98.763,125.599 98.34,125.176 ccw(c98.44,125.076) 98.34,124.977 98.54,124.777 ccw(c98.639,124.877) 98.738,124.777 99.162,125.2 cw(c99.432,124.931) 99.702,125.201 99.901,125.001 cw(c99.631,124.731) 99.901,124.461 99.478,124.038 ccw(c99.578,123.938) 99.478,123.839 99.677,123.639 ccw(c99.777,123.739) 99.877,123.639 100.3,124.062 cw(c100.57,123.793) 100.799,124.098 100.805,124.098 101.074,123.828 101.074,123.823 cw(c100.769,123.593) 101.039,123.323 100.615,122.9 ccw(c100.716,122.801) 100.616,122.701 100.815,122.502 ccw(c100.915,122.601) 101.015,122.502 101.437,122.924 cw(c101.708,122.655) 101.937,122.96 101.943,122.96 102.212,122.69 102.212,122.685 cw(c101.907,122.456) 102.177,122.186 102.166,122.175 ccw(c102.266,122.075) 102.166,121.975 102.793,121.348 102.793,120.966 v1@102.793,113.075
  L3 Inner2 (Sig) w0.1: v1(102.982,113.1) 102.982,113.005 102.847,112.87 102.847,112.8 102.987,112.66 102.987,112.165 102.907,112.085 102.907,105.193 106.683,101.417 106.683,101.3 106.879,101.104 106.883,101.1 110.441,101.1 110.5,101.159 v1(110.5,101.5)